# Altium PCB MB1166.PcbDoc (part 2 of 39)
Units mil, origin at the board's own origin, x right, y up, seen from the top; angles counter-clockwise.
Board outline 5000.99 x 2352.96 mil, 4 copper layers (TOP, L2_GND, L3_VCC, BOTTOM), stack 25.9 mil thick; 35 components, 24 nets, 166 pads, 143 vias.
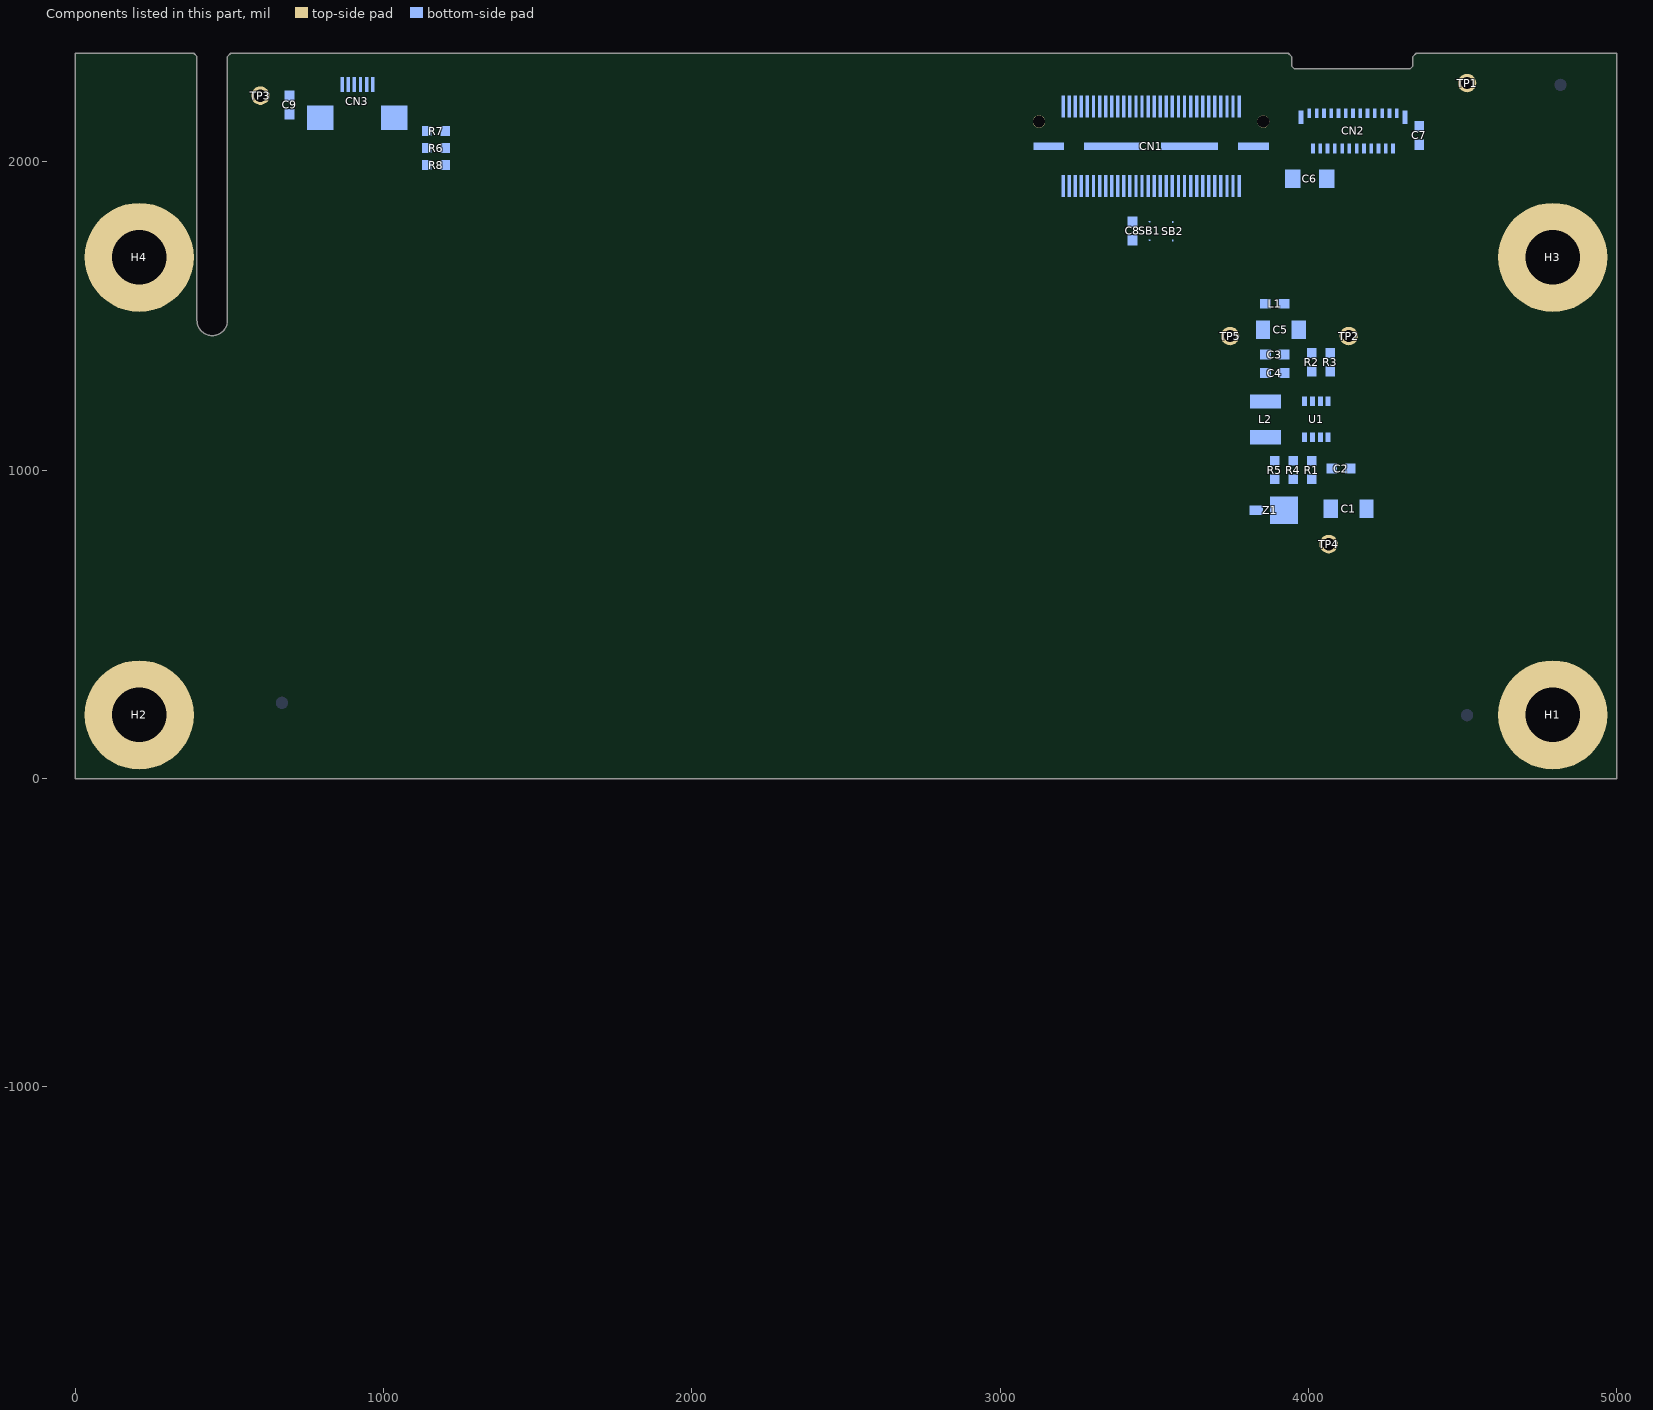
[diagram p4: the components of this part, seen from the top]

## Via types
v1: diameter 24, hole 12, TOP to BOTTOM, 143 vias

## Nets (pads, with @x,y where several pads share a name; then routed paths per layer and width w, separated by ;. In a path a pad name is that pad's centre, name@x,y a point inside that pad or via, vN(x,y) a via of type N, cw(c..) or ccw(c..) an arc to the next point about the centre after c; other vN are vias at no path point) (continued)
copper on no net: (continued)
  TOP w2: 451.76,-1161.42 503.39,-1109.8 ; 451.8,-1163.64 501.69,-1113.74 ; 451.8,-1159.14 505.79,-1105.16 ; 451.89,-1165.79 500.51,-1117.16 ; 451.9,-1156.8 509.04,-1099.65 ; 452.03,-1167.89 499.72,-1120.2 ; 452.08,-1154.37 512.88,-1093.57 ; 452.23,-1169.94 499.22,-1122.94 ; 452.35,-1151.86 517.2,-1087.01 ; 452.47,-1171.94 498.92,-1125.49 ; 452.71,-1149.25 518.05,-1083.91 ; 452.76,-1173.89 498.76,-1127.89 ; 453.1,-1175.8 498.73,-1130.18 ; 453.19,-1146.53 515.33,-1084.39 ; 453.47,-1177.68 498.78,-1132.36 ; 453.79,-1143.68 512.48,-1085 ; 453.88,-1179.51 498.93,-1134.46 ; 454.33,-1181.3 499.16,-1136.48 ; 454.55,-1140.67 509.47,-1085.75 ; 454.82,-1183.07 499.47,-1138.41 ; 455.33,-1184.79 499.85,-1140.27 ; 455.5,-1137.48 506.28,-1086.7 ; 455.88,-1186.49 500.31,-1142.06 ; 456.47,-1188.15 500.84,-1143.78 ; 456.69,-1134.05 502.84,-1087.89 ; 457.08,-1189.78 501.43,-1145.43 ; 457.72,-1191.38 502.09,-1147.02 ; 458.19,-1130.3 499.09,-1089.4 ; 458.39,-1192.96 502.8,-1148.55 ; 459.09,-1194.5 503.56,-1150.04 ; 459.82,-1196.02 504.36,-1151.48 ; 460.17,-1126.08 494.87,-1091.37 ; 460.57,-1197.51 505.2,-1152.88 ; 461.35,-1198.98 506.08,-1154.25 ; 462.16,-1200.42 507,-1155.57 ; 462.92,-1121.08 489.87,-1094.12 ; 462.99,-1201.83 507.95,-1156.87 ; 463.84,-1203.22 508.92,-1158.14 ; 464.72,-1204.59 509.91,-1159.4 ; 465.63,-1205.93 510.91,-1160.64 ; 466.56,-1207.24 511.92,-1161.88 ; 467.51,-1208.54 512.93,-1163.12 ; 467.56,-1114.2 482.99,-1098.76 ; 468.48,-1209.81 513.93,-1164.36 ; 469.48,-1211.05 514.92,-1165.62 ; 470.5,-1212.28 515.9,-1166.88 ; 471.55,-1213.48 516.87,-1168.16 ; 472.62,-1214.66 517.81,-1169.46 ; 473.71,-1215.81 518.73,-1170.79 ; 474.82,-1216.94 519.62,-1172.15 ; 475.96,-1218.05 520.48,-1173.53 ; 477.11,-1219.14 521.31,-1174.94 ; 478.29,-1220.2 522.12,-1176.38 ; 479.5,-1221.24 522.9,-1177.85 ; 480.73,-1222.26 523.65,-1179.34 ; 481.98,-1223.26 524.38,-1180.86 ; 483.25,-1224.23 525.07,-1182.41 ; 484.55,-1225.18 525.69,-1184.03 ; 485.87,-1226.1 526.19,-1185.77 ; 487.21,-1227 526.53,-1187.69 ; 488.58,-1227.88 526.67,-1189.79 ; 489.97,-1228.73 526.62,-1192.08 ; 491.39,-1229.56 526.42,-1194.53 ; 492.83,-1230.36 526.06,-1197.13 ; 494.3,-1231.14 525.47,-1199.97 ; 495.8,-1231.89 524.49,-1203.2 ; 497.32,-1232.61 522.73,-1207.2 ; 498.87,-1233.3 519.7,-1212.48 ; 500.45,-1233.97 515.18,-1219.24 ; 502.05,-1234.61 509.92,-1226.74 ; 534.82,-1143.48 536.62,-1141.67 ; 535.6,-1144.93 538.87,-1141.67 ; 536.48,-1146.3 541.11,-1141.67 ; 537.44,-1147.59 543.36,-1141.67 ; 537.59,-1239.48 608.28,-1168.8 ; 538.45,-1148.83 545.6,-1141.67 ; 539.5,-1150.02 547.85,-1141.67 ; 539.54,-1235.29 608.47,-1166.36 ; 540.12,-1239.2 608,-1171.32 ; 540.58,-1151.19 550.09,-1141.67 ; 541.67,-1152.34 552.34,-1141.67 ; 542.41,-1230.17 608.59,-1164 ; 542.74,-1238.82 607.62,-1173.95 ; 542.77,-1153.48 554.58,-1141.67 ; 543.88,-1154.62 556.83,-1141.67 ; 544.99,-1155.76 559.07,-1141.67 ; 545.48,-1238.33 607.12,-1176.69 ; 545.48,-1108.12 570.68,-1082.92 ; 545.53,-1110.31 572.87,-1082.97 ; 545.63,-1105.72 568.28,-1083.07 ; 546.09,-1156.9 561.32,-1141.67 ; 546.11,-1114.23 576.79,-1083.54 ; 546.43,-1223.91 608.63,-1161.71 ; 547,-1099.86 562.42,-1084.44 ; 547.15,-1117.68 580.24,-1084.58 ; 547.19,-1158.04 563.56,-1141.67 ; 547.81,-1119.26 581.82,-1085.24 ; 548.28,-1159.2 565.81,-1141.67 ; 548.35,-1237.7 606.5,-1179.56 ; 548.55,-1120.76 583.32,-1085.99 ; 549.36,-1160.37 568.05,-1141.67 ; 549.38,-1122.18 584.74,-1086.82 ; 550.14,-1217.96 608.61,-1159.49 ; 550.28,-1123.52 586.08,-1087.72 ; 550.42,-1161.55 570.3,-1141.67 ; 551.25,-1124.79 587.36,-1088.69 ; 551.39,-1236.92 605.71,-1182.59 ; 551.46,-1162.76 572.54,-1141.67 ; 552.3,-1126 588.56,-1089.73 ; 552.48,-1163.98 574.79,-1141.67 ; 553.03,-1212.82 608.52,-1157.33 ; 553.41,-1127.13 589.69,-1090.85 ; 553.47,-1165.24 577.03,-1141.67 ; 554.43,-1166.52 579.28,-1141.67 ; 554.61,-1235.94 604.73,-1185.81 ; 554.59,-1128.19 590.75,-1092.03 ; 555.36,-1167.83 581.52,-1141.67 ; 555.47,-1208.14 608.38,-1155.22 ; 555.85,-1129.18 591.74,-1093.28 ; 556.24,-1169.2 583.77,-1141.67 ; 557.07,-1170.62 586.01,-1141.67 ; 557.17,-1130.1 592.66,-1094.61 ; 557.26,-1204.1 608.19,-1153.16 ; 557.81,-1172.12 588.26,-1141.67 ; 558.08,-1234.71 603.5,-1189.29 ; 558.46,-1173.71 590.5,-1141.67 ; 558.51,-1200.6 607.96,-1151.16 ; 558.57,-1130.95 593.51,-1096.01 ; 559.01,-1175.41 592.75,-1141.67 ; 559.47,-1197.4 607.67,-1149.2 ; 559.48,-1177.18 594.99,-1141.67 ; 559.87,-1179.04 597.24,-1141.67 ; 560.05,-1131.71 594.28,-1097.49 ; 560.16,-1194.47 607.35,-1147.28 ; 560.2,-1180.95 599.48,-1141.67 ; 560.47,-1182.93 601.73,-1141.67 ; 560.58,-1191.8 606.98,-1145.4 ; 560.66,-1184.98 603.97,-1141.67 ; 560.76,-1189.38 606.57,-1143.56 ; 560.77,-1187.12 606.22,-1141.67 ; 561.61,-1132.4 594.96,-1099.05 ; 561.89,-1233.14 601.94,-1193.1 ; 563.26,-1132.99 595.56,-1100.7 ; 565.01,-1133.49 596.05,-1102.45 ; 566.2,-1231.08 599.88,-1197.41 ; 566.87,-1133.87 596.44,-1104.31 ; 568.86,-1134.13 596.69,-1106.29 ; 571,-1134.23 596.79,-1108.44 ; 571.37,-1228.15 596.95,-1202.58 ; 573.34,-1134.14 596.7,-1110.78 ; 575.95,-1133.78 596.34,-1113.38 ; 578.87,-1222.9 591.7,-1210.07 ; 578.96,-1133.01 595.57,-1116.39 ; 582.77,-1131.44 594.01,-1120.21 ; 642.56,-1216.63 737.66,-1216.63 ; 642.56,-1216.63 647.16,-1195.73 ; 642.56,-1216.63 737.66,-1216.63 ; 642.56,-1216.63 647.16,-1195.73 ; 647.16,-1195.73 729.26,-1195.73 ; 647.16,-1195.73 729.26,-1195.73 ; 656.64,-1157.7 656.7,-1158.61 ; 656.64,-1157.7 656.64,-1156.45 ; 656.64,-1157.7 656.7,-1158.61 ; 656.64,-1157.7 656.64,-1156.45 ; 656.64,-1156.45 656.7,-1155.38 ; 656.64,-1156.45 656.7,-1155.38 ; 656.7,-1158.61 656.79,-1159.46 ; 656.7,-1158.61 656.79,-1159.46 ; 656.7,-1155.38 656.81,-1154.26 ; 656.7,-1155.38 656.81,-1154.26 ; 656.79,-1159.46 656.97,-1160.55 ; 656.79,-1159.46 656.97,-1160.55 ; 656.81,-1154.26 657.05,-1152.38 ; 656.81,-1154.26 657.05,-1152.38 ; 656.97,-1160.55 657.17,-1161.55 ; 656.96,-1160.53 710.72,-1106.77 656.96,-1160.53 ; 656.97,-1160.55 657.17,-1161.55 ; 657.05,-1152.38 657.27,-1150.38 ; 657.05,-1152.38 657.27,-1150.38 ; 657.17,-1161.55 657.4,-1162.46 ; 657.17,-1161.55 657.4,-1162.46 ; 657.27,-1150.38 657.8,-1147.12 ; 657.27,-1150.38 657.8,-1147.12 ; 657.4,-1162.46 657.67,-1163.32 ; 657.4,-1162.46 657.67,-1163.32 ; 657.67,-1163.32 658,-1164.26 ; 657.67,-1163.32 658,-1164.26 ; 657.8,-1147.12 658.56,-1144.75 ; 657.8,-1147.12 658.56,-1144.75 ; 658,-1164.26 658.36,-1165.11 ; 658,-1164.26 658.36,-1165.11 ; 658.36,-1165.11 658.92,-1166.14 ; 658.36,-1165.11 658.92,-1166.14 ; 658.56,-1144.75 659.57,-1142.19 ; 658.56,-1144.75 659.57,-1142.19 ; 658.92,-1166.14 659.38,-1166.83 ; 658.92,-1166.14 659.38,-1166.83 ; 659.38,-1166.83 659.87,-1167.53 ; 659.38,-1166.83 659.87,-1167.53 ; 659.57,-1142.19 661.69,-1137.65 ; 659.57,-1142.19 661.69,-1137.65 ; 659.87,-1167.53 660.38,-1168.18 ; 659.87,-1167.53 660.38,-1168.18 ; 660.38,-1168.18 660.9,-1168.73 ; 660.38,-1168.18 660.9,-1168.73 ; 660.9,-1168.73 661.34,-1169.1 ; 660.9,-1168.73 661.34,-1169.1 ; 661.34,-1169.1 661.73,-1169.4 ; 661.34,-1169.1 661.73,-1169.4 ; 661.69,-1137.65 663.29,-1134.73 ; 661.69,-1137.65 663.29,-1134.73 ; 661.73,-1169.4 662.33,-1169.74 ; 661.73,-1169.4 662.33,-1169.74 ; 662.33,-1169.74 663.09,-1170.09 ; 662.33,-1169.74 663.09,-1170.09 ; 663.09,-1170.09 664.42,-1170.56 ; 663.11,-1170.09 726.44,-1106.77 663.11,-1170.09 ; 663.09,-1170.09 664.42,-1170.56 ; 663.29,-1134.73 665.38,-1131.44 ; 663.29,-1134.73 665.38,-1131.44 ; 664.42,-1170.56 665.7,-1170.87 ; 664.42,-1170.56 665.7,-1170.87 ; 665.38,-1131.44 667.34,-1128.19 ; 665.38,-1131.44 667.34,-1128.19 ; 665.7,-1170.87 745.59,-1170.87 ; 665.7,-1170.87 745.59,-1170.87 ; 667.34,-1128.19 670.39,-1124.27 ; 667.34,-1128.19 670.39,-1124.27 ; 670.39,-1124.27 672.72,-1121.82 ; 670.39,-1124.27 672.72,-1121.82 ; 672.72,-1121.82 675.04,-1119.65 ; 672.72,-1121.82 675.04,-1119.65 ; 675.04,-1119.65 678.57,-1116.53 ; 675.04,-1119.65 678.57,-1116.53 ; 678.57,-1116.53 682.18,-1113.8 ; 678.57,-1116.53 682.18,-1113.8 ; 682.18,-1113.8 686.27,-1111.48 ; 682.18,-1113.8 686.27,-1111.48 ; 686.27,-1111.48 690.8,-1109.75 ; 686.27,-1111.48 690.8,-1109.75 ; 690.8,-1109.75 695.13,-1108.38 ; 690.8,-1109.75 695.13,-1108.38 ; 695.13,-1108.38 701.35,-1107.14 ; 695.13,-1108.38 701.35,-1107.14 ; 701.35,-1107.14 706.16,-1106.74 ; 701.35,-1107.14 706.16,-1106.74 ; 706.16,-1106.74 796.86,-1106.73 ; 706.16,-1106.74 796.86,-1106.73 ; 711.96,-1147.13 711.96,-1145.93 ; 711.96,-1147.13 712.06,-1147.93 ; 711.96,-1147.13 711.96,-1145.93 ; 711.96,-1147.13 712.06,-1147.93 ; 711.96,-1145.93 712.16,-1144.73 ; 711.93,-1145.97 687.03,-1170.87 711.93,-1145.97 ; 711.96,-1145.93 712.16,-1144.73 ; 712.06,-1147.93 712.26,-1148.93 ; 712.06,-1147.93 712.26,-1148.93 ; 712.16,-1144.73 712.76,-1142.93 ; 712.16,-1144.73 712.76,-1142.93 ; 712.26,-1148.93 712.56,-1149.73 ; 712.26,-1148.93 712.56,-1149.73 ; 712.56,-1149.73 712.96,-1150.33 ; 712.56,-1149.73 712.96,-1150.33 ; 712.76,-1142.93 713.46,-1141.13 ; 712.76,-1142.93 713.46,-1141.13 ; 712.96,-1150.33 713.56,-1150.93 ; 712.96,-1150.33 713.56,-1150.93 ; 713.46,-1141.13 714.26,-1139.63 ; 713.46,-1141.13 714.26,-1139.63 ; 713.56,-1150.93 714.16,-1151.43 ; 713.56,-1150.93 714.16,-1151.43 ; 714.16,-1151.43 714.86,-1151.93 ; 714.16,-1151.43 714.86,-1151.93 ; 714.26,-1139.63 715.56,-1137.93 ; 714.26,-1139.63 715.56,-1137.93 ; 714.86,-1151.93 715.26,-1152.23 ; 714.86,-1151.93 715.26,-1152.23 ; 715.26,-1152.23 715.66,-1152.43 ; 715.26,-1152.23 715.66,-1152.43 ; 715.56,-1137.93 717.46,-1135.73 ; 715.56,-1137.93 717.46,-1135.73 ; 715.66,-1152.43 773.46,-1152.43 ; 715.66,-1152.43 773.46,-1152.43 ; 717.46,-1135.73 719.96,-1133.43 ; 717.46,-1135.73 719.96,-1133.43 ; 719.96,-1133.43 725.46,-1130.13 ; 719.96,-1133.43 725.46,-1130.13 ; 725.46,-1130.13 729.06,-1128.83 ; 725.46,-1130.13 729.06,-1128.83 ; 729.06,-1128.83 732.26,-1127.93 ; 729.06,-1128.83 732.26,-1127.93 ; 729.26,-1195.73 730.36,-1195.53 ; 729.26,-1195.73 730.36,-1195.53 ; 730.36,-1195.53 731.56,-1195.23 ; 730.36,-1195.53 731.56,-1195.23 ; 731.56,-1195.23 732.56,-1194.93 ; 731.56,-1195.23 732.56,-1194.93 ; 732.26,-1127.93 733.06,-1127.73 ; 732.26,-1127.93 733.06,-1127.73 ; 732.56,-1194.93 734.46,-1194.33 ; 732.56,-1194.93 710.85,-1216.65 732.56,-1194.93 ; 732.56,-1194.93 734.46,-1194.33 ; 733.06,-1127.73 792.16,-1127.73 ; 733.06,-1127.73 792.16,-1127.73 ; 734.46,-1194.33 736.26,-1193.73 ; 734.46,-1194.33 736.26,-1193.73 ; 736.26,-1193.73 737.86,-1193.13 ; 736.26,-1193.73 737.86,-1193.13 ; 737.66,-1216.63 739.16,-1216.53 ; 737.66,-1216.63 739.16,-1216.53 ; 737.86,-1193.13 739.56,-1192.33 ; 737.86,-1193.13 739.56,-1192.33 ; 739.16,-1216.53 741.36,-1216.13 ; 739.16,-1216.53 741.36,-1216.13 ; 739.56,-1192.33 741.36,-1191.23 ; 739.56,-1192.33 741.36,-1191.23 ; 741.36,-1216.13 743.26,-1215.73 ; 741.36,-1216.13 743.26,-1215.73 ; 741.36,-1191.23 742.26,-1190.53 ; 741.36,-1191.23 742.26,-1190.53 ; 742.26,-1190.53 743.86,-1189.13 ; 742.26,-1190.53 743.86,-1189.13 ; 743.26,-1215.73 746.16,-1215.03 ; 743.26,-1215.73 746.16,-1215.03 ; 743.86,-1189.13 744.86,-1188.03 ; 743.86,-1189.13 744.86,-1188.03 ; 744.86,-1188.03 745.36,-1187.43 ; 744.86,-1188.03 745.36,-1187.43 ; 745.36,-1187.43 745.96,-1186.53 ; 745.36,-1187.43 745.96,-1186.53 ; 745.59,-1170.87 745.78,-1170.91 ; 745.59,-1170.87 745.78,-1170.91 ; 745.78,-1170.91 745.95,-1170.96 ; 745.78,-1170.91 745.95,-1170.96 ; 745.96,-1186.53 746.46,-1185.63 ; 745.96,-1186.53 746.46,-1185.63 ; 745.95,-1170.96 746.2,-1171.05 ; 745.95,-1170.96 746.2,-1171.05 ; 746.16,-1215.03 748.76,-1214.33 ; 746.16,-1215.03 748.76,-1214.33 ; 746.2,-1171.05 746.54,-1171.17 ; 746.2,-1171.05 746.54,-1171.17 ; 746.46,-1185.63 746.86,-1184.83 ; 746.46,-1185.63 746.86,-1184.83 ; 746.54,-1171.17 746.74,-1171.26 ; 746.54,-1171.17 746.74,-1171.26 ; 746.74,-1171.26 747.16,-1171.45 ; 746.74,-1171.26 747.16,-1171.45 ; 746.86,-1184.83 747.26,-1183.93 ; 746.86,-1184.83 747.26,-1183.93 ; 747.16,-1171.45 747.5,-1171.65 ; 747.16,-1171.45 747.5,-1171.65 ; 747.26,-1183.93 747.66,-1182.73 ; 747.26,-1183.93 747.66,-1182.73 ; 747.5,-1171.65 747.79,-1171.85 ; 747.5,-1171.65 747.79,-1171.85 ; 747.66,-1182.73 748.06,-1181.43 ; 747.66,-1182.73 748.06,-1181.43 ; 747.79,-1171.85 748.05,-1172.07 ; 747.79,-1171.85 748.05,-1172.07 ; 748.06,-1181.43 748.36,-1180.23 ; 748.06,-1181.43 748.36,-1180.23 ; 748.05,-1172.07 748.29,-1172.32 ; 748.05,-1172.07 748.29,-1172.32 ; 748.29,-1172.32 748.49,-1172.55 ; 748.29,-1172.32 748.49,-1172.55 ; 748.36,-1180.23 748.76,-1178.73 ; 748.36,-1180.23 748.76,-1178.73 ; 748.49,-1172.55 748.72,-1172.88 ; 748.49,-1172.55 748.72,-1172.88 ; 748.72,-1172.88 748.93,-1173.26 ; 748.72,-1172.88 748.93,-1173.26 ; 748.76,-1214.33 750.26,-1213.83 ; 748.76,-1214.33 750.26,-1213.83 ; 748.76,-1178.73 749.06,-1177.33 ; 748.76,-1178.73 749.06,-1177.33 ; 748.93,-1173.26 749.06,-1173.59 ; 748.93,-1173.26 749.06,-1173.59 ; 749.06,-1177.33 749.26,-1176.43 ; 749.06,-1177.33 749.26,-1176.43 ; 749.06,-1173.59 749.19,-1174.01 ; 749.06,-1173.59 749.19,-1174.01 ; 749.19,-1174.01 749.31,-1174.78 ; 749.19,-1174.01 749.31,-1174.78 ; 749.26,-1176.43 749.31,-1175.87 ; 749.26,-1176.43 749.31,-1175.87 ; 749.31,-1175.87 749.33,-1175.38 ; 749.31,-1175.87 749.33,-1175.38 ; 749.31,-1174.78 749.33,-1175.38 ; 749.31,-1174.78 749.33,-1175.38 ; 750.26,-1213.83 751.66,-1213.33 ; 750.26,-1213.83 751.66,-1213.33 ; 751.66,-1213.33 752.86,-1212.83 ; 751.66,-1213.33 752.86,-1212.83 ; 752.86,-1212.83 754.56,-1212.03 ; 752.86,-1212.83 754.56,-1212.03 ; 754.56,-1212.03 755.66,-1211.53 ; 754.56,-1212.03 755.66,-1211.53 ; 755.66,-1211.53 757.16,-1210.73 ; 755.66,-1211.53 757.16,-1210.73 ; 757.16,-1210.73 758.46,-1210.03 ; 757.16,-1210.73 758.46,-1210.03 ; 758.46,-1210.03 760.96,-1208.43 ; 758.46,-1210.03 760.96,-1208.43 ; 760.96,-1208.43 762.66,-1207.03 ; 760.96,-1208.43 762.66,-1207.03 ; 762.66,-1207.03 767.46,-1202.23 ; 762.66,-1207.03 767.46,-1202.23 ; 767.46,-1202.23 769.16,-1200.43 ; 767.46,-1202.23 769.16,-1200.43 ; 769.16,-1200.43 771.16,-1198.03 ; 769.16,-1200.43 771.16,-1198.03 ; 771.16,-1198.03 772.76,-1195.83 ; 771.16,-1198.03 772.76,-1195.83 ; 772.76,-1195.83 774.96,-1192.53 ; 772.76,-1195.83 774.96,-1192.53 ; 773.46,-1152.43 774.36,-1152.83 ; 773.46,-1152.43 774.36,-1152.83 ; 774.36,-1152.83 775.26,-1153.33 ; 774.36,-1152.83 775.26,-1153.33 ; 774.96,-1192.53 776.86,-1189.23 ; 774.96,-1192.53 776.86,-1189.23 ; 775.26,-1153.33 776.06,-1153.83 ; 775.26,-1153.33 776.06,-1153.83 ; 776.06,-1153.83 776.86,-1154.43 ; 776.06,-1153.83 776.86,-1154.43 ; 776.86,-1189.23 778.46,-1186.03 ; 776.86,-1189.23 778.46,-1186.03 ; 776.86,-1154.43 778.16,-1155.53 ; 776.86,-1154.43 778.16,-1155.53 ; 778.16,-1155.53 778.96,-1156.33 ; 778.16,-1155.53 778.96,-1156.33 ; 778.46,-1186.03 779.76,-1183.03 ; 778.46,-1186.03 779.76,-1183.03 ; 778.96,-1156.33 779.96,-1157.53 ; 778.96,-1156.33 779.96,-1157.53 ; 779.76,-1183.03 780.66,-1180.53 ; 779.76,-1183.03 780.66,-1180.53 ; 779.96,-1157.53 780.46,-1158.23 ; 779.96,-1157.53 780.46,-1158.23 ; 780.46,-1158.23 780.96,-1159.13 ; 780.46,-1158.26 722.07,-1216.65 780.46,-1158.26 ; 780.46,-1158.23 780.96,-1159.13 ; 780.66,-1180.53 781.16,-1179.03 ; 780.66,-1180.53 781.16,-1179.03 ; 780.96,-1159.13 781.26,-1159.73 ; 780.96,-1159.13 781.26,-1159.73 ; 781.16,-1179.03 781.56,-1177.33 ; 781.16,-1179.03 781.56,-1177.33 ; 781.26,-1159.73 781.56,-1160.53 ; 781.26,-1159.73 781.56,-1160.53 ; 781.56,-1177.33 781.86,-1175.73 ; 781.56,-1177.33 781.86,-1175.73 ; 781.56,-1160.53 781.76,-1161.13 ; 781.56,-1160.53 781.76,-1161.13 ; 781.76,-1161.13 781.86,-1161.63 ; 781.76,-1161.13 781.86,-1161.63 ; 781.86,-1175.73 782.06,-1173.43 ; 781.86,-1175.73 782.06,-1173.43 ; 781.86,-1161.63 782.06,-1162.83 ; 781.86,-1161.63 782.06,-1162.83 ; 782.06,-1173.43 782.06,-1170.53 ; 782.06,-1173.43 782.06,-1170.53 ; 782.06,-1170.53 782.16,-1167.83 ; 782.06,-1170.53 782.16,-1167.83 ; 782.06,-1162.83 782.16,-1163.93 ; 782.06,-1162.83 782.16,-1163.93 ; 782.16,-1167.83 782.16,-1163.93 ; 782.16,-1167.83 782.16,-1163.93 ; 792.16,-1127.73 796.86,-1106.73 ; 792.16,-1127.73 796.86,-1106.73 ; 793.82,-1193.21 793.82,-1193.11 ; 793.82,-1193.21 793.83,-1193.31 ; 793.82,-1193.21 793.82,-1193.11 ; 793.82,-1193.21 793.83,-1193.31 ; 793.82,-1193.11 793.81,-1193.01 ; 793.82,-1193.11 793.81,-1193.01 ; 793.81,-1193.01 793.81,-1192.81 ; 793.81,-1193.01 793.81,-1192.81 ; 793.81,-1192.81 793.8,-1192.71 ; 793.81,-1192.81 793.8,-1192.71 ; 793.8,-1192.71 793.8,-1192.41 ; 793.8,-1192.71 793.8,-1192.41 ; 793.8,-1192.41 793.79,-1192.31 ; 793.8,-1192.41 793.79,-1192.31 ; 793.79,-1192.31 793.79,-1190.81 ; 793.79,-1192.31 793.79,-1190.81 ; 793.79,-1190.81 793.8,-1190.71 ; 793.79,-1190.81 793.8,-1190.71 ; 793.8,-1190.71 793.8,-1190.21 ; 793.8,-1190.71 793.8,-1190.21 ; 793.8,-1190.21 793.81,-1190.11 ; 793.8,-1190.21 793.81,-1190.11 ; 793.81,-1190.11 793.81,-1189.71 ; 793.81,-1190.11 793.81,-1189.71 ; 793.81,-1189.71 793.82,-1189.61 ; 793.81,-1189.71 793.82,-1189.61 ; 793.82,-1189.61 793.82,-1189.21 ; 793.82,-1189.61 793.82,-1189.21 ; 793.82,-1189.21 793.83,-1189.11 ; 793.82,-1189.21 793.83,-1189.11 ; 793.82,-1186.61 793.82,-1186.11 ; 793.82,-1186.61 793.83,-1186.71 ; 793.82,-1186.61 793.82,-1186.11 ; 793.82,-1186.61 793.83,-1186.71 ; 793.82,-1186.11 793.81,-1186.01 ; 793.82,-1186.11 793.81,-1186.01 ; 793.81,-1186.01 793.81,-1185.41 ; 793.81,-1186.01 793.81,-1185.41 ; 793.81,-1185.41 793.8,-1185.31 ; 793.81,-1185.41 793.8,-1185.31 ; 793.8,-1185.31 793.8,-1184.31 ; 793.8,-1185.31 793.8,-1184.31 ; 793.8,-1184.31 793.81,-1184.21 ; 793.8,-1184.31 793.81,-1184.21 ; 793.81,-1184.21 793.81,-1183.81 ; 793.81,-1184.21 793.81,-1183.81 ; 793.81,-1183.81 793.82,-1183.71 ; 793.81,-1183.81 793.82,-1183.71 ; 793.82,-1183.71 793.82,-1183.61 ; 793.82,-1183.71 793.82,-1183.61 ; 793.82,-1183.61 793.83,-1183.51 ; 793.82,-1183.61 793.83,-1183.51 ; 793.85,-1193.71 793.85,-1193.61 ; 793.85,-1193.71 793.9,-1194.21 ; 793.85,-1193.71 793.85,-1193.61 ; 793.85,-1193.71 793.9,-1194.21 ; 793.85,-1193.61 793.83,-1193.41 ; 793.85,-1193.61 793.83,-1193.41 ; 793.83,-1193.41 793.83,-1193.31 ; 793.83,-1193.41 793.83,-1193.31 ; 793.83,-1189.11 793.83,-1188.51 ; 793.83,-1189.11 793.83,-1188.51 ; 793.83,-1188.51 793.84,-1188.41 ; 793.83,-1188.51 793.84,-1188.41 ; 793.84,-1188.41 793.84,-1187.41 ; 793.84,-1188.41 793.84,-1187.41 ; 793.84,-1187.41 793.83,-1187.31 ; 793.84,-1187.41 793.83,-1187.31 ; 793.83,-1187.31 793.83,-1186.71 ; 793.83,-1187.31 793.83,-1186.71 ; 793.83,-1183.51 793.83,-1183.31 ; 793.83,-1183.51 793.83,-1183.31 ; 793.83,-1183.31 793.85,-1183.11 ; 793.83,-1183.31 793.85,-1183.11 ; 793.85,-1183.11 793.85,-1183.01 ; 793.85,-1183.11 793.85,-1183.01 ; 793.85,-1183.01 793.86,-1182.91 ; 793.85,-1183.01 793.86,-1182.91 ; 793.86,-1182.91 793.86,-1182.81 ; 793.86,-1182.91 793.86,-1182.81 ; 793.86,-1182.81 793.96,-1181.81 ; 793.86,-1182.81 793.96,-1181.81 ; 793.91,-1194.3 793.9,-1194.21 ; 793.91,-1194.3 793.98,-1195 ; 793.91,-1194.3 793.9,-1194.21 ; 793.91,-1194.3 793.98,-1195 ; 793.9,-1194.21 881.37,-1106.74 793.9,-1194.21 ; 793.96,-1181.81 793.97,-1181.72 ; 793.96,-1181.81 793.97,-1181.72 ; 793.97,-1181.72 794,-1181.42 ; 793.97,-1181.72 794,-1181.42 ; 794.02,-1195.3 794,-1195.1 ; 794.02,-1195.3 794.04,-1195.4 ; 794.02,-1195.3 794,-1195.1 ; 794.02,-1195.3 794.04,-1195.4 ; 794,-1195.1 793.98,-1195 ; 794,-1195.1 793.98,-1195 ; 794,-1181.42 794.02,-1181.32 ; 794,-1181.42 794.02,-1181.32 ; 794.02,-1181.32 794.04,-1181.12 ; 794.02,-1181.32 794.04,-1181.12 ; 794.07,-1195.59 794.05,-1195.5 ; 794.07,-1195.59 794.08,-1195.69 ; 794.07,-1195.59 794.05,-1195.5 ; 794.07,-1195.59 794.08,-1195.69 ; 794.05,-1195.5 794.04,-1195.4 ; 794.05,-1195.5 794.04,-1195.4 ; 794.04,-1181.12 794.06,-1181.02 ; 794.04,-1181.12 794.06,-1181.02 ; 794.06,-1181.02 794.08,-1180.82 ; 794.06,-1181.02 794.08,-1180.82 ; 794.12,-1195.89 794.08,-1195.69 ; 794.12,-1195.89 794.13,-1195.99 ; 794.12,-1195.89 794.08,-1195.69 ; 794.12,-1195.89 794.13,-1195.99 ; 794.08,-1180.82 794.1,-1180.72 ; 794.08,-1180.82 794.1,-1180.72 ; 794.1,-1180.72 794.11,-1180.63 ; 794.1,-1180.72 794.11,-1180.63 ; 794.11,-1180.63 794.13,-1180.53 ; 794.11,-1180.63 794.13,-1180.53 ; 794.17,-1196.19 